# Altium PCB pioneer_2-bluepill_eletronic_wrapper.PcbDoc (part 1 of 2) (continued)
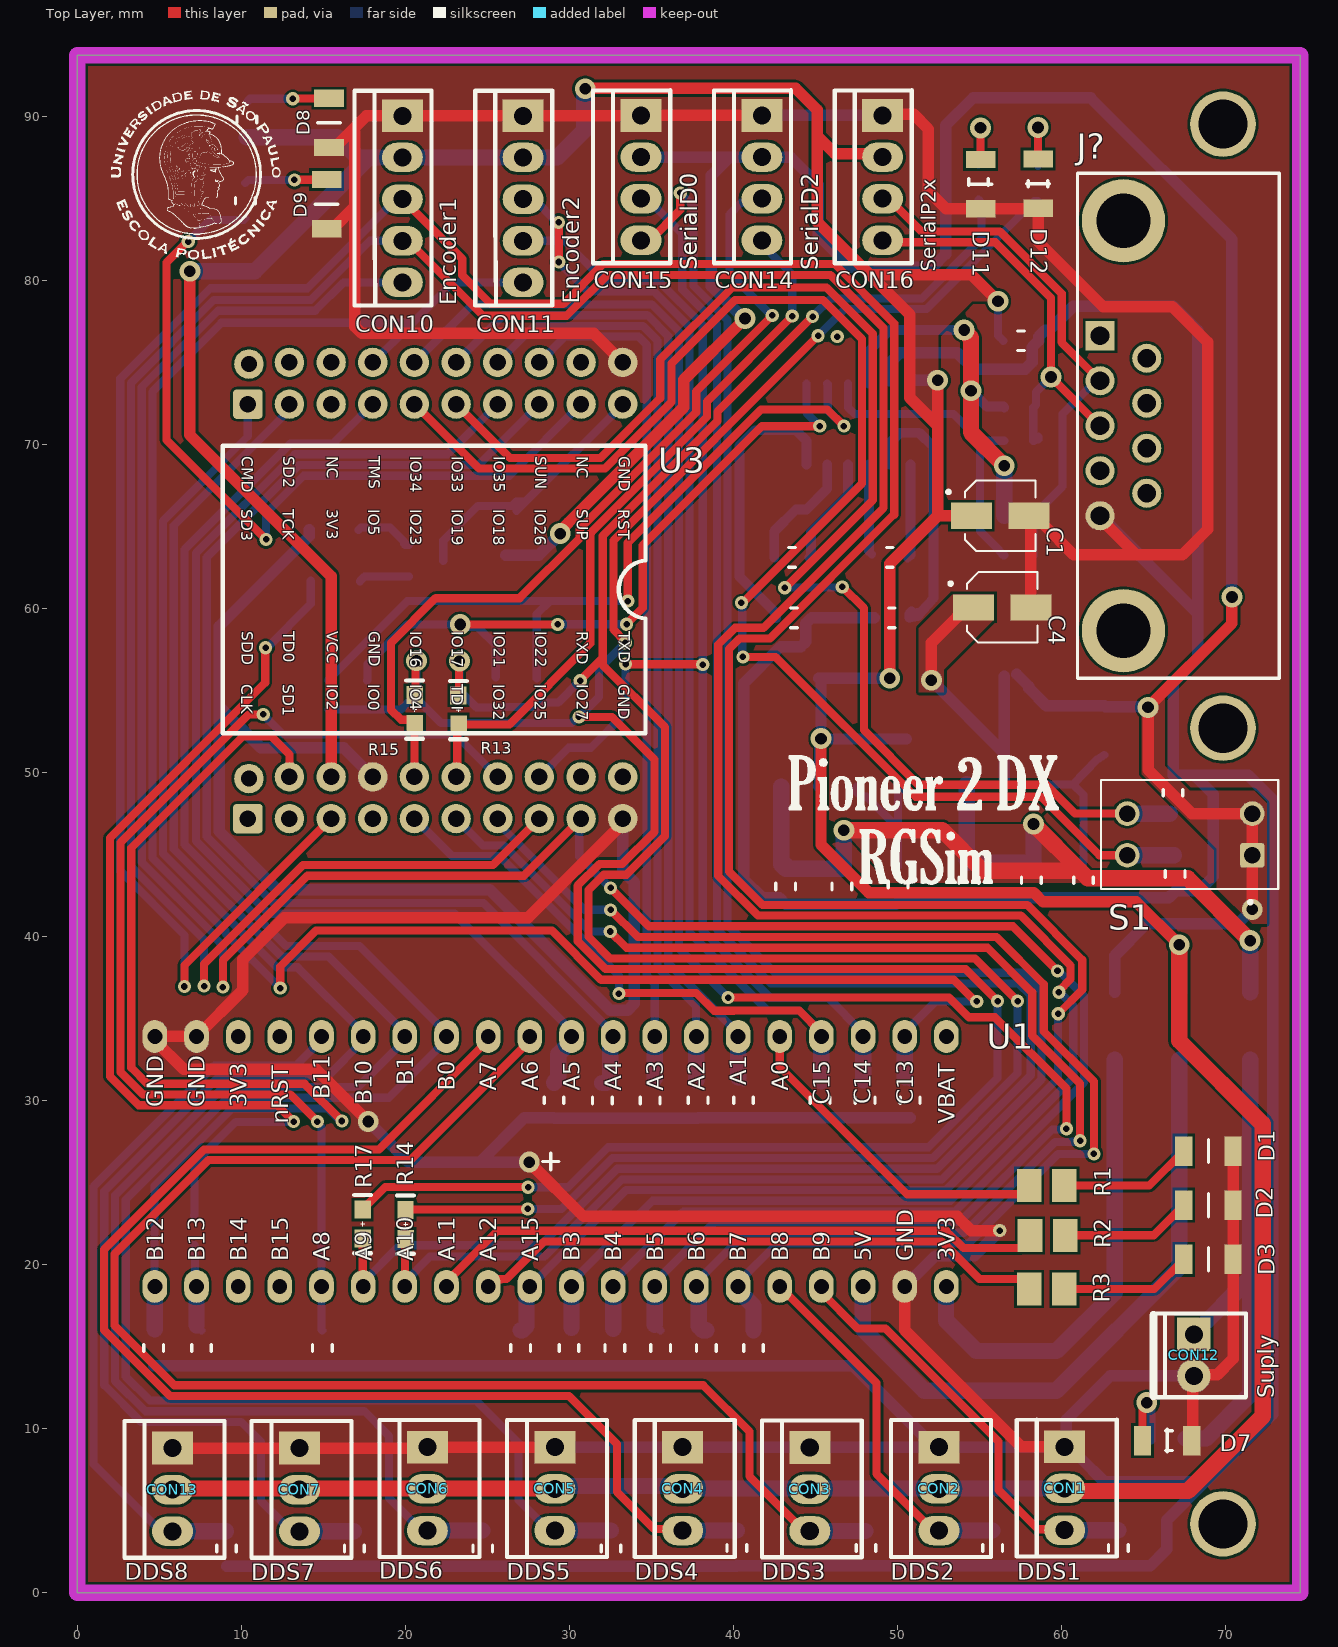
[diagram p0: Top Layer view]
## Footprints (in the part's own frame and the unit in brackets; to place one, negate y for a bottom-side part, rotate by r counter-clockwise, add the part's x,y. Pads: shape width x height; smd on the part's side, far side on the other; paste and mask are expansions set on the pad)
4vias [mm]
  rect 2x2.5 hole 1.1: 1(0,0)
  oval 1.8x2.5 hole 1.1: 2(2.54,0) 3(5.08,0) 4(7.62,0)
  silkscreen extent -1.53,-2.92 9.02,1.78
5vias [mm]
  rect 2x2.5 hole 1.1: 1(0,0)
  oval 1.8x2.5 hole 1.1: 2(2.54,0) 3(5.08,0) 4(7.62,0) 5(10.16,0)
  silkscreen extent -1.53,-2.92 11.56,1.78
*DB9_DB9(Primary) [mil]
  rect 70x70 hole 45: 1(216,56)
  round 70 hole 45: 2(108,56) 3(0,56) 4(-108,56) 5(-216,56) 6(162,-56) 7(54,-56) 8(-54,-56) 9(-162,-56)
  round 200 hole 130: G1(492,0) G2(-492,0)
  silkscreen extent -606,-374 606,110, body extent -606,-610 606,122, height 483
BluePill [mm] "BluePill"
  oval 1.5x2 hole 0.9: 1(-24.13,-7.62) 2(-21.59,-7.62) 3(-19.05,-7.62) 4(-16.51,-7.62) 5(-13.97,-7.62) 6(-11.43,-7.62) 7(-8.89,-7.62) 8(-6.35,-7.62) 9(-3.81,-7.62) 10(-1.27,-7.62) 11(1.27,-7.62) 12(3.81,-7.62) 13(6.35,-7.62) 14(8.89,-7.62) 15(11.43,-7.62) 16(13.97,-7.62) 17(16.51,-7.62) 18(19.05,-7.62) 19(21.59,-7.62) 20(24.13,-7.62) 21(24.13,7.62) 22(21.59,7.62) 23(19.05,7.62) 24(16.51,7.62) 25(13.97,7.62) 26(11.43,7.62) 27(8.89,7.62) 28(6.35,7.62) 29(3.81,7.62) 30(1.27,7.62) 31(-1.27,7.62) 32(-3.81,7.62) 33(-6.35,7.62) 34(-8.89,7.62) 35(-11.43,7.62) 36(-13.97,7.62) 37(-16.51,7.62) 38(-19.05,7.62) 39(-21.59,7.62) 40(-24.13,7.62)
  silkscreen extent -0.5,-0.5 0.5,0.5, body extent -26.99,-11.23 31.65,11.27, height 19.68
CAP_EEE1HA2R2SR [mm]
  rect 2.5x1.6 smd: n(1.75,0) p(-1.75,0)
  silkscreen extent -3.25,-2.15 2.15,2.15, body extent -2.5,-2.15 2.5,2.15, height 5.8
"CAPACITOR 0805" [mm] "ceramic capacitor 0805"
  rect 1.5x2 smd: 1(-1.075,0) 2(1.075,0)
  body extent -1,-0.63 1,0.63, height 0.61
DIOM505270X240 [mm]
  rrect15% 2.21x1.53 smd: 1(-2.05,0) 2(2.05,0)
  silkscreen extent -3.85,-1.45 2.65,1.45, body extent -2.4,-1.27 2.65,1.43, height 2.37
"ESP32 D1 MINI" [mm]
  rrect25% 1.8x1.8 hole 1: 1(0,0) 21(-25.273,0)
  round 1.8 hole 1: 2(0,2.54) 3(0,5.08) 4(0,7.62) 5(0,10.16) 6(0,12.7) 7(0,15.24) 8(0,17.78) 9(0,20.32) 10(0,22.86) 11(-2.442,0.072) 12(-2.54,2.54) 13(-2.54,5.08) 14(-2.54,7.62) 15(-2.54,10.16) 16(-2.54,12.7) 17(-2.54,15.24) 18(-2.54,17.78) 19(-2.54,20.32) 20(-2.54,22.86) 22(-25.273,2.54) 23(-25.273,5.08) 24(-25.273,7.62) 25(-25.273,10.16) 26(-25.273,12.7) 27(-25.273,15.24) 28(-25.273,17.78) 29(-25.273,20.32) 30(-25.273,22.86) 31(-27.715,0.072) 32(-27.813,2.54) 33(-27.813,5.08) 34(-27.813,7.62) 35(-27.813,10.16) 36(-27.813,12.7) 37(-27.813,15.24) 38(-27.813,17.78) 39(-27.813,20.32) 40(-27.813,22.86)
  silkscreen extent -22.73,-1.52 -5.21,24.26, body extent -29.34,-8.69 1.66,30.73, height 12.22
KK_2VIAS_180º [mil]
  rect 80x80 hole 43.31: 1(0,0)
  round 80 hole 43.31: 2(100,0)
  silkscreen extent -50,-101 151,125, body extent -61,-108 165,128, height 468
KK_3vias_180º [mm]
  rect 2x2.5 hole 1.1: 1(0,0)
  oval 1.8x2.5 hole 1.1: 2(2.54,0) 3(5.08,0)
  silkscreen extent -1.65,-2.92 6.69,3.18, body extent -1.6,-2.95 6.69,3.05, height 11.9
"LED RED" [mm]
  rect 1.05x1.8 smd: 1(-1.5,0) 2(1.5,0)
  silkscreen extent 0,-0.7 0,0.7, body extent -0.79,-0.43 0.81,0.37, height 0.75
RESC3216X60N [mm]
  rect 1.05x1.8 smd: 1(-1.5,0) 2(1.5,0)
  silkscreen extent 0,-0.7 0,0.7, body extent -1.58,-0.8 1.58,0.8, height 0.6
"RESISTOR 0603" [mm] "RES 5% 0603"
  rect 1.1x1 smd: 1(-0.877,-0.011) 2(0.889,0)
  silkscreen extent -1.77,-0.52 1.79,0.5, body extent -0.8,-0.4 0.8,0.4, height 0.3
"RESISTOR 0805" [mm] "Chip Resistor, 2-Leads, Body 2,00x1,25mm, IPC Low Density"
  rect 1.5x2 smd: 1(-1.075,0) 2(1.075,0)
  body extent -1,-0.62 1,0.63
SOIC127P600X175-16N [mm]
  rrect25% 1.97x0.6 smd: 1(-2.475,4.445) 2(-2.475,3.175) 3(-2.475,1.905) 4(-2.475,0.635) 5(-2.475,-0.635) 6(-2.475,-1.905) 7(-2.475,-3.175) 8(-2.475,-4.445) 9(2.475,-4.445) 10(2.475,-3.175) 11(2.475,-1.905) 12(2.475,-0.635) 13(2.475,0.635) 14(2.475,1.905) 15(2.475,3.175) 16(2.475,4.445)
  silkscreen extent -4.24,-5.06 1.95,5.06, body extent -3,-4.95 3,4.95, height 1.75
SOT96P240X110-3N [mm]
  rect 1.1x0.65 smd: 1(-1.05,0.96) 2(-1.05,-0.96) 3(1.05,0)
  silkscreen extent -1.6,-1.45 0.15,1.54, body extent -1.2,-1.45 1.2,1.45, height 1.1
SOT-223-2 [mm] "SOT-223/SC-73; 4 Leads; Body 6.7 x 7.3 mm, inc. leads (LxW max)"
  rect 1.1x1.75 smd: 1(-2.3,-3.3) 2(0,-3.3) 3(2.3,-3.3)
  rect 3.5x1.75 smd: 4(0,3.3)
  silkscreen extent -3.35,-4.85 3.35,1.85, body extent -3.35,-3.7 3.35,3.5, height 1.85
SW_DS02-254-2L-02BE [mm]
  round 1.508 hole 1: 1A(1.27,-3.81) 1B(1.27,3.81) 2B(-1.27,3.81)
  rrect25% 1.5x1.5 hole 1: 2A(-1.27,-3.81)
  silkscreen extent -4.23,-5.4 3.33,5.4, body extent -3.3,-7.09 3.34,5.31, height 9.4

## Part data
C1 C4: library part "Cap. Elet. smd 1uF 50V", "Aluminum Organic Polymer Capacitors smd 50volts 1uF", Arrow Part Number=16SEPC470M, Manufacturer_Name=Panasonic, Mouser Part Number=667-16SEPC470M, Arrow Price/Stock=https://www.arrow.com/en/products/16sepc470m/panasonic, Datasheet Link=http://industrial.panasonic.com/www-cgi/jvcr13pz.cgi?E+CI+4+AAB8010+16SEPC470M+8+WW, Height=13mm, Manufacturer_Part_Number=16SEPC470M, Mouser Price/Stock=https://www.mouser.co.uk/ProductDetail/Panasonic/16SEPC470M?qs=OE1iw1LrrPEdZuWyF2l%252B5w%3D%3D
C2 C3 C5 C6 C7 C8 C9: library part "CAP 0805", "capacitor 0805", Case Code - in=0603, Case Code - mm=1608, Manufacturer="PANASONIC ELECTRONIC COMPONENTS", Manufacturer Part Number=ERJ-3GEY0R00V, Operating Temperature="-55°C ~ 155°C", Operating Temperature Range="- 55 C to + 155 C", Package / Case="0603 (1608 Metric)", Power (Watts)="0.1W, 1/10W", Power Rating=100, Resistance=0, Resistance (Ohms)=0.0, Resistance Tolerance=-, Resistor Case Style="0603 [1608 Metric]", Supplier Part Number 1=667-ERJ-3GEY0R00V, Tolerance=Jumper, Voltage Rating=75, Brand=Panasonic, Category=Resistors, ComponentLink1Description=http://www.farnell.com/cad/1697908.zip, ComponentLink1URL=http://www.farnell.com/cad/1697908.zip, ComponentLink2Description=http://www.farnell.com/datasheets/1678796.pdf, ComponentLink2URL=http://www.farnell.com/datasheets/1678796.pdf, ComponentLink3Description=http://industrial.panasonic.com/www-cgi/jvcr13pz.cgi?E+PZ+3+AOA0001+ERJ3GEY0R00V+7+WW, ComponentLink3URL=http://industrial.panasonic.com/www-cgi/jvcr13pz.cgi?E+PZ+3+AOA0001+ERJ3GEY0R00V+7+WW, ComponentLink4Description=http://www.mouser.com/ds/2/315/AOA0000C84-947596.pdf, ComponentLink4URL=http://www.mouser.com/ds/2/315/AOA0000C84-947596.pdf, Composition="Thick Film", Features="Automotive AEC-Q200", Height="0.022\" (0.55mm)", Length="1.6 mm", Minimum Order Quantity=1, MSL=-, Number of Terminations=2, Packaging="Cut Tape", Pricing 1="1=0.160, 10=0.019, 100=0.013, 500=0.010, 1000=0.005, 5000=0.003 (AUD)", Product="Thick Film Resistors Zero-Ohm", Product Range="AEC-Q200 ERJ3", Qualification=AEC-Q200, Reeling=True, RoHS=YES, RoHS - Mouser=E, Series=ERJ, Size / Dimension="0.063\" L x 0.031\" W (1.60mm x 0.80mm)", Stock 1=1987085, Supplier 1=Mouser, Supplier Device Package=0603, Temperature Coefficient=-, Termination Style=SMD/SMT, Type="Thick Film Resistors SMD", Width="0.8 mm"
CON1 CON2 CON3 CON4 CON5 CON6 CON7 CON13: library part KK_2.54_3vias, "Conector KK 2.54mm 3 vias", Descrição="Conector KK 3 vias com passo 2.54mm", Encapsulamento="PTH - 180º", Modelo="3 vias - 180º", Valor="KK 3 vias 180º"
CON10 CON11: library part 2.54_5vias, "holes 2.54mm 5 vias", Descrição="Conector KK 3 vias com passo 2.54mm", Encapsulamento="PTH - 180º", Modelo="3 vias - 180º", Valor="5 vias"
CON12: library part KK_2.54_2vias, "Conector KK 2.54mm 2 vias", Descrição="Conector KK 3 vias com passo 2.54mm", Encapsulamento="PTH - 180º", Modelo="2 vias - 180º", Valor="KK 2 vias 180º"
CON14 CON15 CON16: library part 2.54_4vias, "holes 2.54mm 4 vias", Descrição="Conector KK 3 vias com passo 2.54mm", Encapsulamento="PTH - 180º", Modelo="3 vias - 180º", Valor="4 vias"
D1 D2 D3 D7: Current If Luminous Intensity=2, Forward Current If=20, Forward Voltage VF Max=2.5, LED Colour=Red, Manufacturer=Paralight, Manufacturer Part Number=IMP585, Operating Temperature Max=85, Operating Temperature Min=-40, Operating Temperature Range="-40°C to +85", Peak Forward Current=7, Supplier Part Number 1="Led 3mm Vermelho Difuso L-314HD - Paralight", Voltage Vf Typ="2.2V<!--FANDB--><div class=\"features-and-benefits-container\"><div class=\"features-and-benefits-description\"><span class=\"features-benefits-value\">The L-934LID from Kingbright is a through hole round shape high efficiency red colour LED. The device is made of gallium arsenide phosphide on gallium phosphide orange light emitting diode. This LED is widely used because of low power consumption, long life and solid state reliability.</span></div><div class=\"features-and-benefits-list\"><ul class=\"features-and-benefits-list-list\"><li class=\"features-and-benefits-list-item\">Standard bulb size of T-1 (3mm)</li><li class=\"features-and-benefits-list-item\">Reliable and rugged</li><li class=\"features-and-benefits-list-item\">Viewing angle is 60°</li><li class=\"features-and-benefits-list-item\">Luminous intensity of 3mcd at 2mA</li><li class=\"features-and-benefits-list-item\">Forward voltage is 2.0V</li><li class=\"features-and-benefits-list-item\">Forward current (If) is 20mA</li><li class=\"features-and-benefits-list-item\">Dominant wavelength is 625nm at IF=20mA</li><li class=\"features-and-benefits-list-item\">Peak wavelength is 627nm at IF=20", Bulb Size=3mm, ComponentLink1Description=http://loja.multcomercial.com.br/led-3mm-vermelho-difuso-l-314hd-paralight.html, ComponentLink1URL=http://loja.multcomercial.com.br/led-3mm-vermelho-difuso-l-314hd-paralight.html, Dominant Wavelength=625, External Diameter=2.9, External Length / Height=4.6, Forward Current If Max=20, Forward Voltage=2, Lead Cross-section Depth=0.5, Lead Cross-section Width=0.5, Lead Spacing=2.54, LED / Lamp Size="3mm / T-1", LED Mounting="Through Hole", LED Type=Standard, Lens Shape=Round, Luminous Intensity=3, Luminous Intensity @ If Min=0.7, Luminous Intensity Typ=3, Mounting Type="PCB Through Hole", MSL=-, No. of Pins=2, Packaging=Each, Peak Wavelength=625, PIV Max=5, Pricing 1="1=0.15 (BRL)", RoHS=YES, Stock 1=35260, Supplier 1="Mult Comercial", SVHC="No SVHC (15-Jun-2015)", Viewing Angle=60°, Wavelength Typ=625
D4 D5 D6: "Diode, SMA, 1000V, 1A, 150°C", Package="DO-214AC Diotec", Check_prices=https://www.snapeda.com/parts/M7/Diotec/view-part/?ref=eda, MF="Diotec Semiconductor", MP=M7, SnapEDA_Link=https://www.snapeda.com/parts/M7/Diotec/view-part/?ref=snap
D8 D9 D11 D12: library part "LED 3MM RED", "LED 3MM RED", Current If Luminous Intensity=2, Forward Current If=20, Forward Voltage VF Max=2.5, LED Colour=Red, Manufacturer=Paralight, Manufacturer Part Number=IMP585, Operating Temperature Max=85, Operating Temperature Min=-40, Operating Temperature Range="-40°C to +85", Peak Forward Current=7, Supplier Part Number 1="Led 3mm Vermelho Difuso L-314HD - Paralight", Voltage Vf Typ="2.2V<!--FANDB--><div class=\"features-and-benefits-container\"><div class=\"features-and-benefits-description\"><span class=\"features-benefits-value\">The L-934LID from Kingbright is a through hole round shape high efficiency red colour LED. The device is made of gallium arsenide phosphide on gallium phosphide orange light emitting diode. This LED is widely used because of low power consumption, long life and solid state reliability.</span></div><div class=\"features-and-benefits-list\"><ul class=\"features-and-benefits-list-list\"><li class=\"features-and-benefits-list-item\">Standard bulb size of T-1 (3mm)</li><li class=\"features-and-benefits-list-item\">Reliable and rugged</li><li class=\"features-and-benefits-list-item\">Viewing angle is 60°</li><li class=\"features-and-benefits-list-item\">Luminous intensity of 3mcd at 2mA</li><li class=\"features-and-benefits-list-item\">Forward voltage is 2.0V</li><li class=\"features-and-benefits-list-item\">Forward current (If) is 20mA</li><li class=\"features-and-benefits-list-item\">Dominant wavelength is 625nm at IF=20mA</li><li class=\"features-and-benefits-list-item\">Peak wavelength is 627nm at IF=20", Bulb Size=3mm, ComponentLink1Description=http://loja.multcomercial.com.br/led-3mm-vermelho-difuso-l-314hd-paralight.html, ComponentLink1URL=http://loja.multcomercial.com.br/led-3mm-vermelho-difuso-l-314hd-paralight.html, Dominant Wavelength=625, External Diameter=2.9, External Length / Height=4.6, Forward Current If Max=20, Forward Voltage=2, Lead Cross-section Depth=0.5, Lead Cross-section Width=0.5, Lead Spacing=2.54, LED / Lamp Size="3mm / T-1", LED Mounting="Through Hole", LED Type=Standard, Lens Shape=Round, Luminous Intensity=3, Luminous Intensity @ If Min=0.7, Luminous Intensity Typ=3, Mounting Type="PCB Through Hole", MSL=-, No. of Pins=2, Packaging=Each, Peak Wavelength=625, PIV Max=5, Pricing 1="1=0.15 (BRL)", RoHS=YES, Stock 1=35260, Supplier 1="Mult Comercial", SVHC="No SVHC (15-Jun-2015)", Viewing Angle=60°, Wavelength Typ=625
J?: "Cable Grip 0.38 ~ 0.50 (9.5mm ~ 12.7mm) Aluminum - Silver", Package=None, Check_prices=https://www.snapeda.com/parts/DB-9/Amphenol/view-part/?ref=eda, MF=Amphenol, MP=DB-9, SnapEDA_Link=https://www.snapeda.com/parts/DB-9/Amphenol/view-part/?ref=snap
LM1 LM2: library part "lm317 smd", "SOT223"
Q1: "Transistor BJT NPN BC817-25-7-F", Arrow Part Number=BC817-25-7-F, Manufacturer_Name="Diodes Inc.", Mouser Part Number=621-BC817-25-7-F, Arrow Price/Stock=https://www.arrow.com/en/products/bc817-25-7-f/diodes-incorporated, Datasheet Link=https://www.diodes.com/assets/Datasheets/ds11107.pdf, Height=1.1mm, Manufacturer_Part_Number=BC817-25-7-F, Mouser Price/Stock=https://www.mouser.co.uk/ProductDetail/Diodes-Incorporated/BC817-25-7-F?qs=rGAXPo9uwV0jK0EyLZnqOw%3D%3D
R1 R2 R3 R5 R6 R8 R9 R10 R11 R12 R18 R19 R20 R21 R22 R23 R24 R28 R33 R38 R39 R40 R41 R42 R43 R44 R45 R46 R47 R48 R49 R50 R51 R52 R53 R54 R55 R56 R57: library part "RES 0805 5%", "0805", Case Code - in=0603, Case Code - mm=1608, Manufacturer="PANASONIC ELECTRONIC COMPONENTS", Manufacturer Part Number=ERJ-3GEY0R00V, Operating Temperature="-55°C ~ 155°C", Operating Temperature Range="- 55 C to + 155 C", Package / Case="0603 (1608 Metric)", Power (Watts)="0.1W, 1/10W", Power Rating=100, Resistance=0, Resistance (Ohms)=0.0, Resistance Tolerance=-, Resistor Case Style="0603 [1608 Metric]", Supplier Part Number 1=667-ERJ-3GEY0R00V, Tolerance=Jumper, Voltage Rating=75, Brand=Panasonic, Category=Resistors, ComponentLink1Description=http://www.farnell.com/cad/1697908.zip, ComponentLink1URL=http://www.farnell.com/cad/1697908.zip, ComponentLink2Description=http://www.farnell.com/datasheets/1678796.pdf, ComponentLink2URL=http://www.farnell.com/datasheets/1678796.pdf, ComponentLink3Description=http://industrial.panasonic.com/www-cgi/jvcr13pz.cgi?E+PZ+3+AOA0001+ERJ3GEY0R00V+7+WW, ComponentLink3URL=http://industrial.panasonic.com/www-cgi/jvcr13pz.cgi?E+PZ+3+AOA0001+ERJ3GEY0R00V+7+WW, ComponentLink4Description=http://www.mouser.com/ds/2/315/AOA0000C84-947596.pdf, ComponentLink4URL=http://www.mouser.com/ds/2/315/AOA0000C84-947596.pdf, Composition="Thick Film", Features="Automotive AEC-Q200", Height="0.022\" (0.55mm)", Length="1.6 mm", Minimum Order Quantity=1, MSL=-, Number of Terminations=2, Packaging="Cut Tape", Pricing 1="1=0.160, 10=0.019, 100=0.013, 500=0.010, 1000=0.005, 5000=0.003 (AUD)", Product="Thick Film Resistors Zero-Ohm", Product Range="AEC-Q200 ERJ3", Qualification=AEC-Q200, Reeling=True, RoHS=YES, RoHS - Mouser=E, Series=ERJ, Size / Dimension="0.063\" L x 0.031\" W (1.60mm x 0.80mm)", Stock 1=1987085, Supplier 1=Mouser, Supplier Device Package=0603, Temperature Coefficient=-, Termination Style=SMD/SMT, Type="Thick Film Resistors SMD", Width="0.8 mm"
R4 R7 R25 R26 R27: library part "RES 1206", "RES 1206 5%", Arrow Part Number=CRCW12064K70FKEA, Manufacturer_Name=Vishay, Mouser Part Number=71-CRCW1206-4.7K-E3, Arrow Price/Stock=https://www.arrow.com/en/products/crcw12064k70fkea/vishay, Datasheet Link=http://docs-emea.rs-online.com/webdocs/13ec/0900766b813ecc08.pdf, Height=0.6mm, Manufacturer_Part_Number=CRCW12064K70FKEA, Mouser Price/Stock=https://www.mouser.co.uk/ProductDetail/Vishay-Dale/CRCW12064K70FKEA?qs=1vm4qhDHCvlKJmatsKzyFQ%3D%3D
R13 R14 R15 R16 R17 R29 R30 R31 R32 R34 R35 R36 R37: library part "RES 0603 5%", "0603", Case Code - mm=1608, Manufacturer="PANASONIC ELECTRONIC COMPONENTS", Manufacturer Part Number=ERJ-3GEY0R00V, Operating Temperature="-55°C ~ 155°C", Operating Temperature Range="- 55 C to + 155 C", Package / Case="0603 (1608 Metric)", Power (Watts)="0.1W, 1/10W", Power Rating=100, Resistance=0, Resistance (Ohms)=0.0, Resistance Tolerance=-, Resistor Case Style="0603 [1608 Metric]", Supplier Part Number 1=667-ERJ-3GEY0R00V, Tolerance=Jumper, Voltage Rating=75, Brand=Panasonic, Case Code - in=0603, Category=Resistors, ComponentLink1Description=http://www.farnell.com/cad/1697908.zip, ComponentLink1URL=http://www.farnell.com/cad/1697908.zip, ComponentLink2Description=http://www.farnell.com/datasheets/1678796.pdf, ComponentLink2URL=http://www.farnell.com/datasheets/1678796.pdf, ComponentLink3Description=http://industrial.panasonic.com/www-cgi/jvcr13pz.cgi?E+PZ+3+AOA0001+ERJ3GEY0R00V+7+WW, ComponentLink3URL=http://industrial.panasonic.com/www-cgi/jvcr13pz.cgi?E+PZ+3+AOA0001+ERJ3GEY0R00V+7+WW, ComponentLink4Description=http://www.mouser.com/ds/2/315/AOA0000C84-947596.pdf, ComponentLink4URL=http://www.mouser.com/ds/2/315/AOA0000C84-947596.pdf, Composition="Thick Film", Features="Automotive AEC-Q200", Height="0.022\" (0.55mm)", Length="1.6 mm", Minimum Order Quantity=1, MSL=-, Number of Terminations=2, Packaging="Cut Tape", Pricing 1="1=0.160, 10=0.019, 100=0.013, 500=0.010, 1000=0.005, 5000=0.003 (AUD)", Product="Thick Film Resistors Zero-Ohm", Product Range="AEC-Q200 ERJ3", Qualification=AEC-Q200, Reeling=True, RoHS=YES, RoHS - Mouser=E, Series=ERJ, Size / Dimension="0.063\" L x 0.031\" W (1.60mm x 0.80mm)", Stock 1=1987085, Supplier 1=Mouser, Supplier Device Package=0603, Temperature Coefficient=-, Termination Style=SMD/SMT, Type="Thick Film Resistors SMD", Width="0.8 mm"
S1: "DS02-254-2L-02BE", Package=None, Availability=Unavailable, MP=DS02-254-2L-02BE, Price=None
U1: library part CMP-010-000000-1, "BluePill - STMDuino (STM32F103)", Component Type=Interface, Design Item ID=BluePill, Source=uControlador.SchLib
U2: "3-V to 5.5-V multichannel RS-232 line driver & receiver 16-SOIC -40 to 85", Package="SOIC-16 Texas Instruments", Availability=Good, DigiKey-Purchase-URL=https://snapeda.com/shop?store=DigiKey&id=215166, MF="Texas Instruments", Mouser-Purchase-URL=https://snapeda.com/shop?store=Mouser&id=215166, MP=MAX3232ID, Price=None, SnapEDA_Link=https://www.snapeda.com/parts/MAX3232ID/Texas%20Instruments/view-part/215166/?ref=snap, Texas_Instruments-Purchase-URL=https://snapeda.com/shop?store=Texas+Instruments&id=215166
U3: library part "ESP32 D1 Mini", "ESP32 D1 Mini"

## Free pads (board coordinates)
  round 4 hole 3: 1(69.85,52.705) 2(69.85,4.191) 3(69.85,89.535)

## Via types
v1: diameter 0.8, hole 0.4, Top Layer to Bottom Layer, 52 vias
v2: diameter 1.27, hole 0.711, Top Layer to Bottom Layer, 28 vias

## Nets (pads, with @x,y where several pads share a name; then routed paths per layer and width w, separated by ;. In a path a pad name is that pad's centre, name@x,y a point inside that pad or via, vN(x,y) a via of type N, cw(c..) or ccw(c..) an arc to the next point about the centre after c; other vN are vias at no path point)
3v3: C4.p CON14.2 CON15.2 D5.1 LM2.2 LM2.4 R7.2 R25.2 S1.1A S1.2A | length 173.1
  Top Layer w0.7: v2(29.439,64.567) 29.439,64.721 29.973,65.256 29.973,65.274 36.975,72.275 36.975,73.951 v2(40.707,77.683) ; v2(52.07,55.626) 52.07,57.912 53.638,59.48 53.638,59.521 54.188,60.071 C4.p@54.638,60.071 ; v2(70.396,60.706) 70.396,59.093 v2(65.278,53.975) 65.278,50.165 67.945,47.498 S1.1A@71.628,47.498 S1.2A@71.628,44.958 v2(71.628,41.656)
  Bottom Layer w0.7: R25.2@26.111,63.243 28.115,63.243 v2(29.439,64.567) ; CON15.2@34.366,87.528 39.776,87.528 ; v2(40.707,77.683) 40.627,77.683 38.659,79.651 38.659,86.411 39.776,87.528 ; v2(52.07,55.626) 56.515,51.181 ; LM2.2@56.515,49.278 56.515,51.181 ; LM2.4@56.515,55.878 56.515,51.181 ; LM2.4@57.261,56.007 58.015,55.253 58.015,55.142 59.079,54.078 R7.2@62.611,54.078 62.663,54.026 65.227,54.026 v2(65.278,53.975) ; D5.1@63.246,36.594 63.246,38.837 65.176,40.767 70.739,40.767 v2(71.628,41.656) ; v2(70.396,60.706) 70.396,82.512 61.773,91.135 54.61,91.135 52.934,89.459 52.934,81.61 52.121,80.797 47.142,80.797 45.161,82.779 45.161,85.852 43.485,87.528 CON14.2@41.732,87.528 39.776,87.528
3v3_bluepill: D5.2 U1.20 | length 28.8
  Bottom Layer w1: U1.20@52.959,18.669 52.959,16.586 54.813,14.732 59.69,14.732 63.246,18.288 D5.2@63.246,32.494
5v: C1.p C5.1 CON1.2 CON2.2 CON3.2 CON4.2 CON5.2 CON6.2 CON7.2 CON10.2 CON11.2 CON13.2 CON16.2 D4.1 LM1.2 LM1.4 R4.2 R22.2 U2.16 U3.13 | length 298.3
  Top Layer w0.7: CON13.2@4.988,6.442 CON13.2@5.08,6.35 ; v2(6.858,80.569) 6.858,70.587 15.469,61.976 U3.13@15.469,49.733 ; v2(30.963,91.694) 30.988,91.719 43.79,91.719 45.11,90.399 45.11,88.798 ; v2(45.339,52.07) 45.339,45.593 48.253,42.679 58.308,42.679 58.874,42.113 64.567,42.113 v2(67.183,39.497) ; CON16.2@49.098,87.528 48.888,87.739 46.17,87.739 45.11,88.798 ; v2(49.53,55.753) 49.53,62.738 52.451,65.659 ; v2(52.451,73.914) 52.451,71.145 ; C1.p@54.511,65.659 52.451,65.659 ; v2(56.134,78.74) 54.534,80.34 48.336,80.34 ; 45.11,88.798 45.11,83.566 48.336,80.34 ; 48.336,80.34 50.749,77.927 50.749,72.847 52.451,71.145 ; 52.451,65.659 52.451,71.145
  Top Layer w1: CON13.2@5.08,6.35 29.083,6.35 CON5.2@29.108,6.325 ; CON4.2@36.906,6.325 CON4.2@36.932,6.35 ; CON1.2@60.198,6.35 60.351,6.197 67.716,6.197 72.263,10.744 72.263,28.575 67.183,33.655 v2(67.183,39.497)
  Bottom Layer w0.5: v2(56.134,78.74) 56.134,76.649 C5.1@56.456,76.327
  Bottom Layer w0.7: LM1.2@45.212,49.151 45.275,49.215 45.275,52.006 v2(45.339,52.07) ; v2(49.53,55.753) v2(49.53,55.753) 45.213,55.752 LM1.4@45.212,55.751 45.339,55.624 v2(45.339,52.07) ; R4.2@50.546,52.046 45.363,52.046 v2(45.339,52.07) ; U2.16@50.85,73.914 v2(52.451,73.914)
  Bottom Layer w1: v2@6.931,80.569 10.82,80.569 17.755,87.503 ; R22.2@10.338,88.739 15.858,88.739 17.094,87.503 17.755,87.503 ; CON5.2@29.108,6.325 29.261,6.478 30.177,6.478 30.202,6.502 36.162,6.502 36.34,6.325 CON4.2@36.906,6.325 ; v2(30.963,91.694) 30.911,91.642 30.911,89.153 29.261,87.503 CON11.2@27.178,87.503 CON10.2@19.812,87.503 17.755,87.503 ; CON4.2@36.906,6.35 CON1.2@60.198,6.35 ; D4.1@67.183,36.594 v2(67.183,39.497)
5v_bluepill: D4.2 U1.18 | length 39.2
  Bottom Layer w1: U1.18@47.879,18.669 47.879,16.078 51.638,12.319 59.69,12.319 67.183,19.812 D4.2@67.183,32.494
dds_1: CON1.3 R40.1 U1.17 | length 26.2
  Top Layer w0.5: U1.17@45.364,18.669 45.364,18.313 47.574,16.104 49.276,16.104 56.169,9.211 56.169,6.265 58.569,3.864 60.144,3.864 CON1.3@60.198,3.81
  Bottom Layer w0.5: R40.1@63.457,3.81 R40.1@63.475,3.793
  Bottom Layer w1: CON1.3@60.198,3.81 R40.1@63.457,3.81
dds_2: CON2.3 R41.1 U1.16 | length 22.7
  Top Layer w0.5: U1.16@42.824,18.669 48.717,12.776 48.717,7.245 52.177,3.785 CON2.3@52.527,3.785
  Bottom Layer w0.5: CON2.3@52.177,3.785 CON2.3@52.527,3.785 ; R41.1@55.796,3.785 R41.1@55.804,3.793
  Bottom Layer w1: CON2.3@52.527,3.785 R41.1@55.796,3.785
dds_3: CON3.3 R42.1 U1.31 | length 88.2
  Top Layer w0.5: U1.31@27.559,33.909 27.559,33.63 20.303,26.374 7.994,26.374 2.268,20.648 2.268,16.284 5.911,12.641 38.159,12.641 40.97,9.83 40.97,7.092 44.303,3.759 CON3.3@44.653,3.759
  Bottom Layer w0.5: U1.31@27.559,33.909 U1.31@27.559,34.159 ; R42.1@48.049,3.759 R42.1@48.082,3.793
  Bottom Layer w1: CON3.3@44.653,3.759 R42.1@48.049,3.759
dds_4: CON4.3 R43.1 U1.32 | length 79.8
  Top Layer w0.5: U1.32@25.019,33.909 25.019,33.659 18.386,27.026 7.724,27.026 1.616,20.918 1.616,16.014 5.641,11.989 29.972,11.989 32.893,9.068 32.893,6.147 35.163,3.877 36.814,3.877 CON4.3@36.906,3.785
  Bottom Layer w0.5: U1.32@25.019,33.909 U1.32@25.019,34.159 ; CON4.3@36.556,3.785 CON4.3@36.906,3.785 ; R43.1@40.2,3.785 R43.1@40.208,3.793
  Bottom Layer w1: CON4.3@36.906,3.785 R43.1@40.2,3.785
dds_5: CON5.3 R44.1 U1.33 U3.24 | length 124.2
  Bottom Layer w0.5: U3.24@18.009,72.466 15.596,70.053 12.982,70.053 6.528,63.6 6.528,45.613 12.712,39.429 17.209,39.429 22.479,34.159 22.479,33.659 18.995,30.175 9.167,30.175 2.946,23.955 2.946,13.183 4.42,11.709 24.308,11.709 26.899,9.119 26.899,5.639 28.753,3.785 CON5.3@29.108,3.785 ; R44.1@32.52,3.785 R44.1@32.537,3.767
  Bottom Layer w1: CON5.3@29.108,3.785 R44.1@32.52,3.785
dds_6: CON6.3 R45.1 U1.34 U3.22 | length 110.5
  Bottom Layer w0.5: U3.22@12.929,72.466 12.929,72.121 5.876,65.068 5.876,45.343 12.442,38.777 15.321,38.777 19.939,34.159 19.939,33.659 17.107,30.827 8.897,30.827 2.294,24.225 2.294,12.913 4.15,11.057 17.492,11.057 18.999,9.55 18.999,5.771 20.986,3.785 CON6.3@21.336,3.785 ; R45.1@24.697,3.785 R45.1@24.714,3.767
  Bottom Layer w1: CON6.3@21.336,3.785 R45.1@24.697,3.785
dds_7: CON7.3 R46.1 U1.35 U3.21 | length 99.2
  Bottom Layer w0.5: U3.21@10.389,72.466 10.389,70.503 5.224,65.338 5.224,45.073 12.172,38.125 13.433,38.125 17.399,34.159 17.399,33.634 15.244,31.479 8.627,31.479 1.642,24.495 1.642,12.642 3.879,10.405 9.991,10.405 11.201,9.195 11.201,5.588 CON7.3@13.056,3.734 ; R46.1@16.857,3.734 R46.1@16.891,3.767
  Bottom Layer w1: CON7.3@13.056,3.734 R46.1@16.857,3.734
dds_8: CON13.3 R55.1 U1.36 | length 44.5
  Bottom Layer w0.5: CON13.3@5.791,3.734 5.105,3.734 0.99,7.849 0.99,24.765 8.357,32.131 13.335,32.131 14.859,33.655 U1.36@14.859,33.909 ; R55.1@9.06,3.734 R55.1@9.093,3.767
  Bottom Layer w1: CON13.3@5.791,3.734 R55.1@9.06,3.734
encoder1_s1: CON10.5 R47.1 U1.12 U3.9 | length 163
  Top Layer w0.5: v1(8.873,36.915) 8.873,38.558 14.028,43.713 27.229,43.713 U3.9@30.709,47.193 ; CON10.5@19.812,79.883 CON10.5@20.162,79.883 ; v1(32.512,42.971) 34.859,40.623 57.04,40.623 v1(59.758,37.905)
  Bottom Layer w0.5: v1(8.873,36.915) 8.873,39.431 8.374,39.93 8.374,40.08 3.92,44.533 3.92,73.491 8.585,78.156 14.499,78.156 16.226,79.883 CON10.5@19.812,79.883 ; U3.9@30.709,47.193 30.601,47.085 30.601,44.882 v1(32.512,42.971) ; U1.12@32.639,18.919 36.961,23.241 53.513,23.241 61.366,31.094 61.366,36.375 59.836,37.905 v1(59.758,37.905) ; R47.1@32.664,16.086 R47.1@32.766,15.985
  Bottom Layer w1: R47.1@32.664,16.086 U1.12@32.664,18.669
encoder1_s2: CON10.4 R48.1 U1.11 U3.8 | length 226.3
  Top Layer w0.5: v1(7.722,36.982) 7.722,38.329 13.758,44.365 25.341,44.365 U3.8@28.169,47.193 ; CON10.4@19.812,82.423 20.162,82.423 24.734,77.851 29.82,77.851 32.309,80.34 45.923,80.34 49.149,77.114 49.149,66.142 41.834,58.826 40.099,58.826 39.074,57.801 39.074,43.705 41.503,41.275 57.522,41.275 60.56,38.237 60.56,37.4 59.842,36.683 v1(59.842,36.601)
  Bottom Layer w0.5: v1(7.722,36.982) 7.722,39.809 3.268,44.263 3.268,73.761 8.315,78.808 14.229,78.808 17.844,82.423 CON10.4@19.812,82.423 ; U3.8@28.169,47.193 U3.8@28.188,47.174 ; R48.1@29.972,15.985 R48.1@30.124,16.137 ; U1.11@30.099,18.919 35.073,23.893 53.243,23.893 60.714,31.364 60.714,35.798 59.911,36.601 v1(59.842,36.601)
  Bottom Layer w1: R48.1@30.124,16.137 U1.11@30.124,18.669
encoder1_s3: CON10.3 R49.1 U1.10 U3.3 | length 220.8
  Top Layer w0.5: v1(6.528,36.957) 6.528,38.252 U3.3@15.469,47.193 ; CON10.3@19.812,84.963 23.47,81.305 23.47,80.315 25.203,78.581 29.628,78.581 32.056,81.009 46.176,81.009 49.801,77.384 49.801,65.717 49.766,65.717 42.223,58.174 40.369,58.174 39.726,57.531 39.726,43.975 41.773,41.927 57.92,41.927 61.265,38.583 61.265,36.754 v1(59.804,35.293)
  Bottom Layer w0.5: v1(6.528,36.957) 6.528,40.081 2.616,43.993 2.616,74.031 8.113,79.527 14.026,79.527 19.462,84.963 CON10.3@19.812,84.963 ; U1.10@27.584,18.148 U1.10@27.584,18.669 33.46,24.545 52.972,24.545 59.789,31.361 59.789,35.278 v1(59.804,35.293)
  Bottom Layer w1: R49.1@27.026,15.985 27.131,15.985 27.381,16.235 27.381,17.945 U1.10@27.584,18.148
encoder2_s1: CON11.5 R50.1 U1.22 U3.34 | length 123
  Top Layer w0.5: v1(12.37,36.855) 12.37,38.176 14.554,40.361 28.941,40.361 31.938,37.363 53.437,37.363 54.757,36.043 v1(54.839,36.043)
  Bottom Layer w0.5: v1(12.37,36.855) 9.026,40.2 9.026,40.35 4.572,44.803 4.572,73.221 8.771,77.419 20.422,77.419 ; U3.34@18.009,75.006 20.422,77.419 ; CON11.5@27.178,79.883 22.885,79.883 20.422,77.419 ; R50.1@50.444,31.428 R50.1@50.775,31.098 ; U1.22@50.457,34.172 52.328,36.043 v1(54.839,36.043)
  Bottom Layer w1: R50.1@50.444,31.428 U1.22@50.444,33.909